# KiCad board ovc5.kicad_pcb (continued)
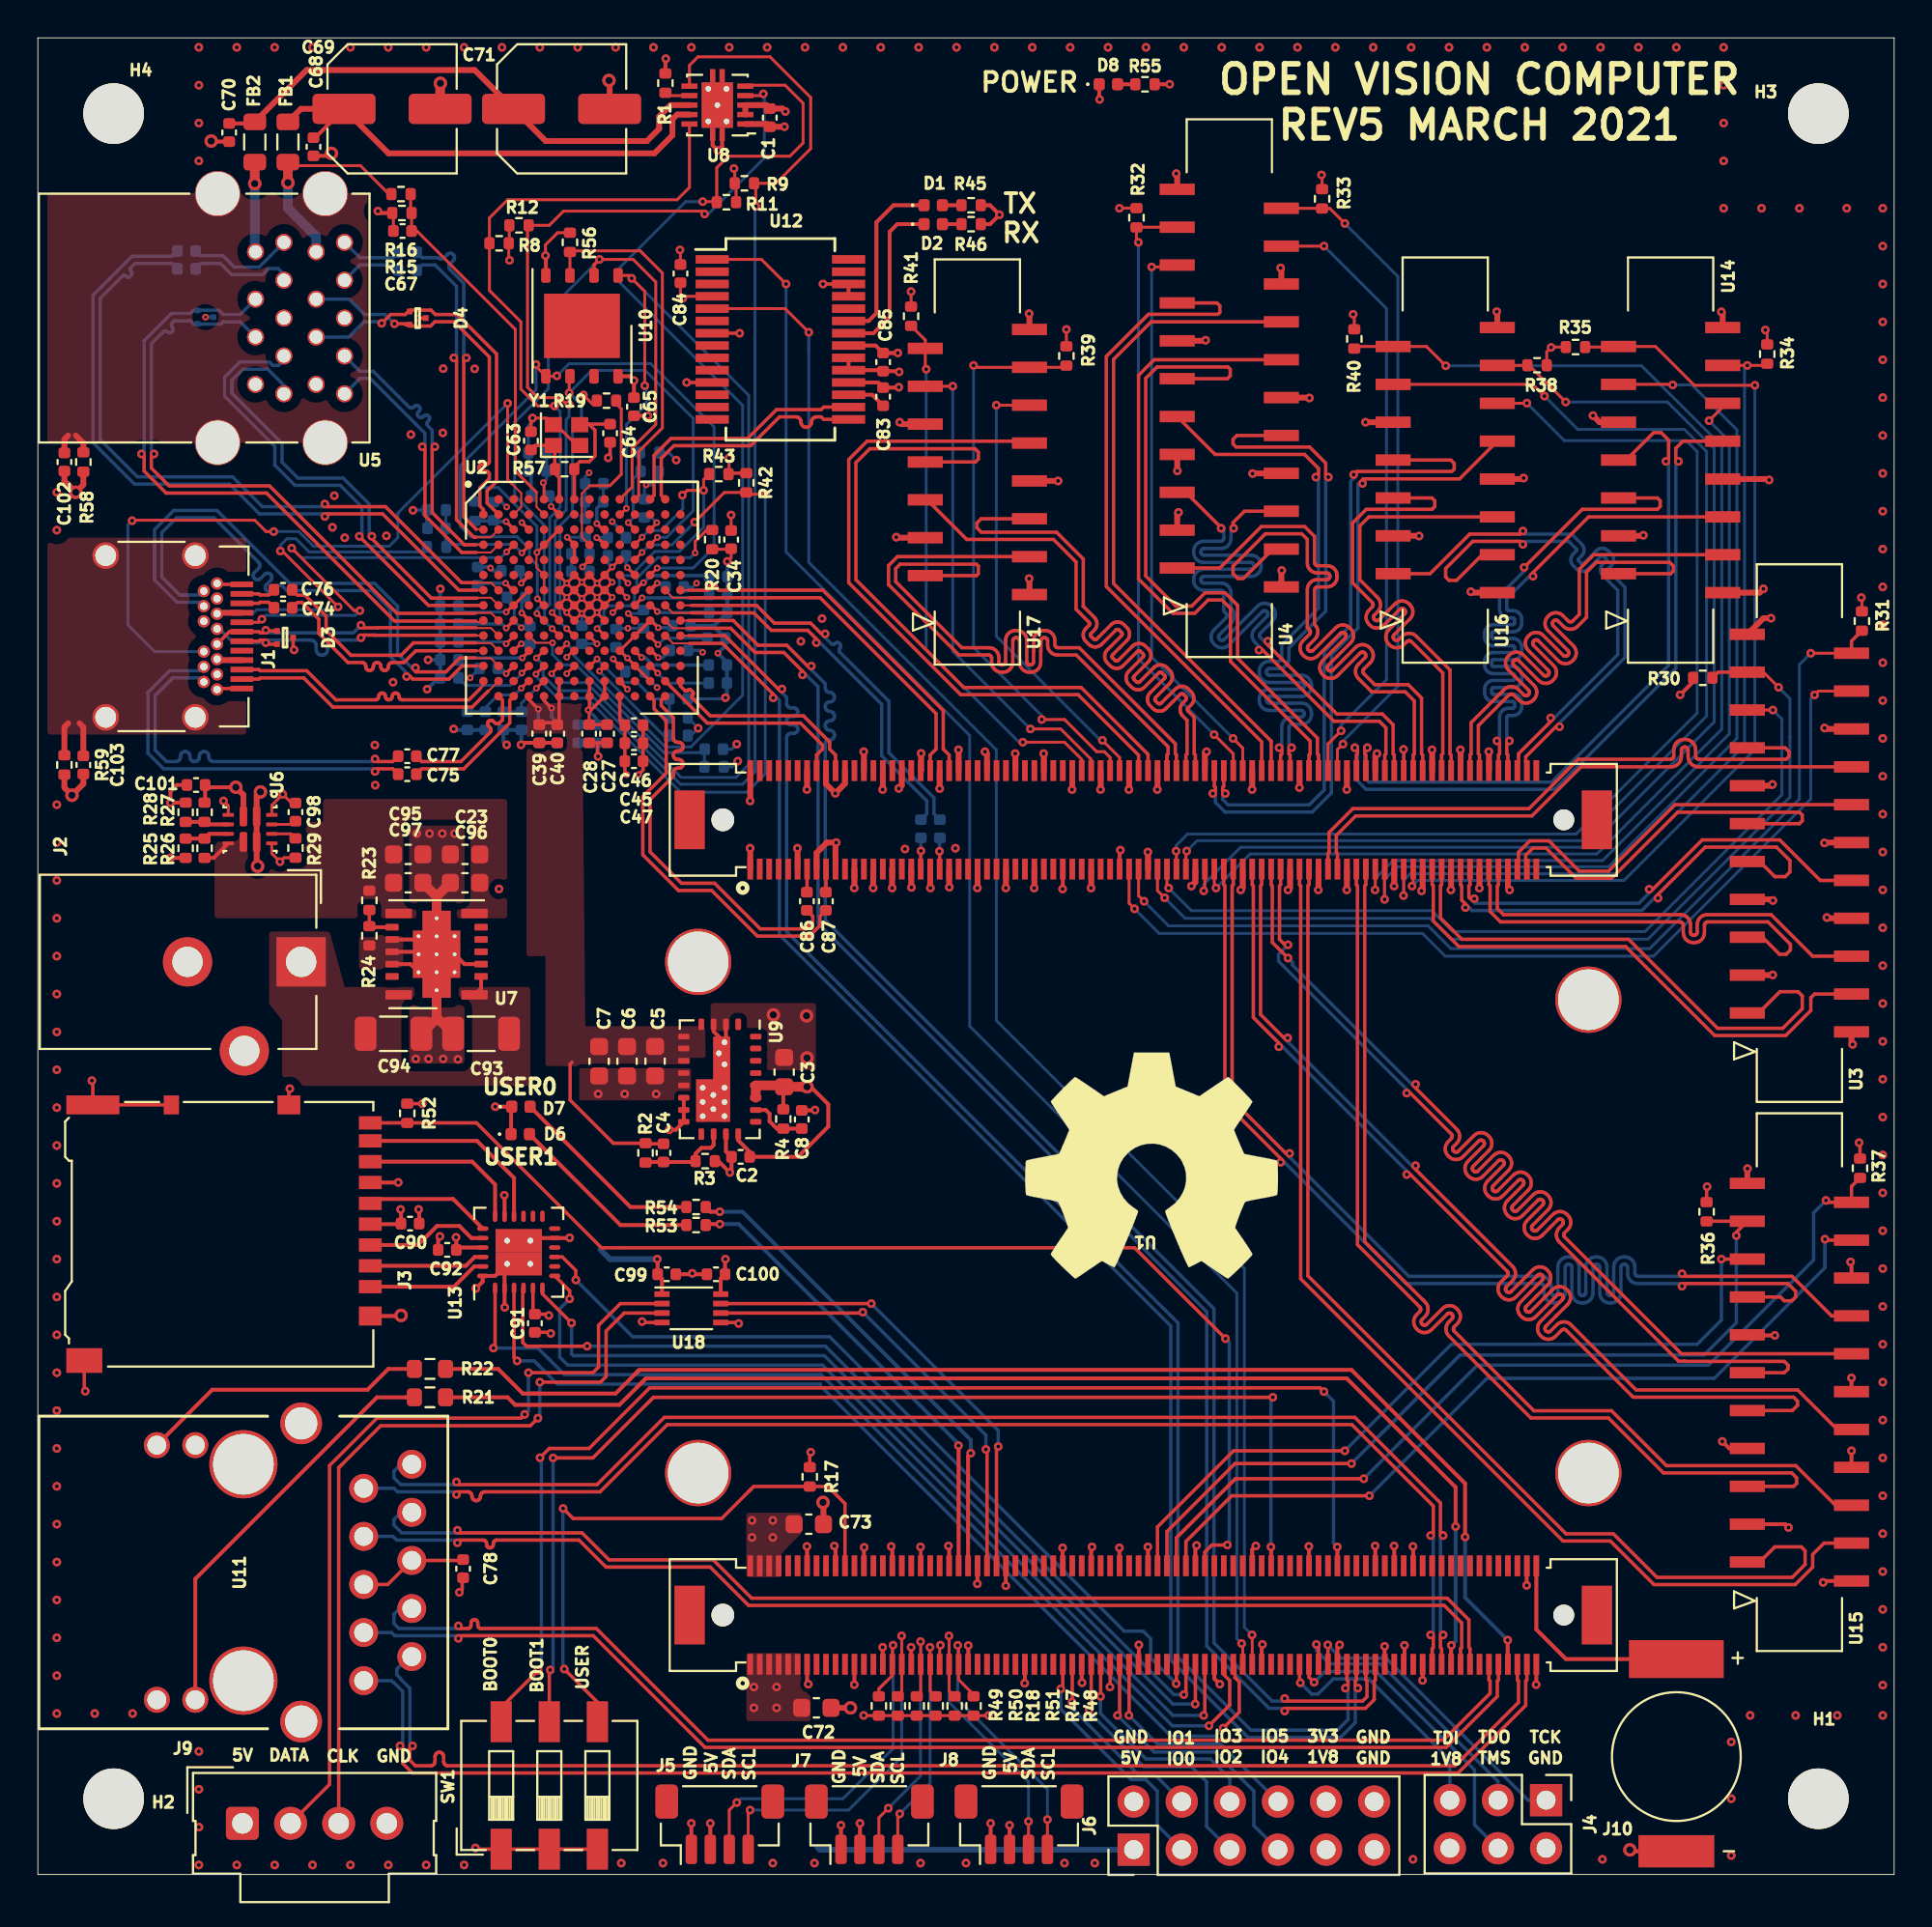
[diagram p0: board, top side]
## Routing (per net, layer and track width the routed paths; a pad name or vN(x,y) marks a point on that pad's centre or on a via; arc(x,y) is an arc through that point) (continued)
CAM2_DAT0-: length 32
  Top w0.178: U1.B156 76.11,59.13 76.05,59.18 76.05,60.68 77.66,62.29 77.69,62.32 77.73,62.34 77.77,62.35 77.81,62.35 77.85,62.34 77.88,62.32 77.92,62.29 78.19,62.02 78.28,61.94 78.39,61.89 78.51,61.87 78.62,61.87 78.74,61.89 78.84,61.94 78.94,62.02 78.98,62.06 79.06,62.16 79.11,62.26 79.13,62.38 79.13,62.49 79.11,62.61 79.06,62.72 78.98,62.81 77.93,63.86 77.91,63.89 77.89,63.93 77.88,63.97 77.88,64 77.89,64.04 77.91,64.08 77.93,64.11 77.96,64.14 78,64.15 78.04,64.16 78.08,64.16 78.12,64.15 78.15,64.14 78.18,64.11 79.23,63.06 79.33,62.99 79.43,62.93 79.55,62.91 79.66,62.91 79.78,62.93 79.89,62.99 79.98,63.06 80.02,63.11 80.1,63.2 80.15,63.3 80.17,63.42 80.17,63.54 80.15,63.65 80.1,63.76 80.02,63.85 78.97,64.9 78.95,64.93 78.93,64.97 78.92,65.01 78.92,65.05 78.93,65.09 78.95,65.12 78.97,65.15 79,65.18 79.04,65.19 79.08,65.2 79.12,65.2 79.16,65.19 79.19,65.18 79.22,65.15 80.28,64.1 80.37,64.03 80.47,63.98 80.59,63.95 80.71,63.95 80.82,63.98 80.93,64.03 81.02,64.1 81.07,64.15 81.14,64.24 81.19,64.35 81.22,64.46 81.22,64.58 81.19,64.69 81.14,64.8 81.07,64.89 80.01,65.94 79.99,65.97 79.97,66.01 79.96,66.05 79.96,66.09 79.97,66.13 79.99,66.16 80.01,66.19 80.05,66.22 80.08,66.24 80.12,66.25 80.16,66.25 80.2,66.24 80.23,66.22 80.27,66.19 80.54,65.92 80.63,65.84 80.74,65.79 80.86,65.77 80.97,65.77 81.09,65.79 81.19,65.84 81.29,65.92 81.76,66.39 81.76,68.78 82.3,69.32 82.32,69.3 86.15,69.3 86.35,69.1 86.35,68.85 86.2,68.7 U14.2
CAM2_DAT1+: length 31.6
  Top w0.178: U14.6 85.5,72.7 85.65,72.55 85.65,72.25 85.5,72.1 81.53,72.1 v1(78.47,69.03) ; v1(77.03,59.87) 77.17,59.73 77.17,59.18 77.11,59.13 U1.B160
  Bottom w0.178: v1(78.47,69.03) 78.47,68.84 77.17,67.54 77.17,66.83 77.18,66.73 77.22,66.63 77.27,66.54 77.34,66.47 77.43,66.41 77.53,66.38 77.63,66.37 77.85,66.37 77.87,66.36 77.9,66.36 77.92,66.34 77.94,66.32 77.95,66.3 77.96,66.28 77.96,66.26 77.96,66.12 77.96,66.1 77.95,66.07 77.94,66.05 77.92,66.03 77.9,66.02 77.87,66.01 77.85,66.01 76.84,66.01 76.74,66 76.64,65.96 76.55,65.91 76.48,65.84 76.42,65.75 76.39,65.65 76.38,65.55 76.38,65.36 76.39,65.25 76.42,65.15 76.48,65.07 76.55,64.99 76.64,64.94 76.74,64.9 76.84,64.89 77.85,64.89 77.87,64.89 77.9,64.88 77.92,64.87 77.94,64.85 77.95,64.83 77.96,64.81 77.96,64.78 77.96,64.65 77.96,64.62 77.95,64.6 77.94,64.58 77.92,64.56 77.9,64.55 77.87,64.54 77.85,64.54 76.84,64.54 76.74,64.53 76.64,64.49 76.55,64.44 76.48,64.36 76.42,64.28 76.39,64.18 76.38,64.08 76.38,63.88 76.39,63.78 76.42,63.68 76.48,63.59 76.55,63.52 76.64,63.47 76.74,63.43 76.84,63.42 77.85,63.42 77.87,63.42 77.9,63.41 77.92,63.4 77.94,63.38 77.95,63.36 77.96,63.33 77.96,63.31 77.96,63.17 77.96,63.15 77.95,63.13 77.94,63.11 77.92,63.09 77.9,63.08 77.87,63.07 77.85,63.06 76.84,63.06 76.74,63.05 76.64,63.02 76.55,62.96 76.48,62.89 76.42,62.8 76.39,62.7 76.38,62.6 76.38,62.41 76.39,62.31 76.42,62.21 76.48,62.12 76.55,62.05 76.64,61.99 76.74,61.96 76.84,61.95 77.85,61.95 77.87,61.94 77.9,61.94 77.92,61.92 77.94,61.91 77.95,61.88 77.96,61.86 77.96,61.84 77.96,61.7 77.96,61.68 77.95,61.65 77.94,61.63 77.92,61.61 77.9,61.6 77.87,61.59 77.85,61.59 77.63,61.59 77.53,61.58 77.43,61.55 77.34,61.49 77.27,61.42 77.22,61.33 77.18,61.23 77.17,61.13 77.17,60.01 v1(77.03,59.87)
CAM2_DAT1-: length 31.6
  Top w0.178: U1.B162 77.61,59.13 77.55,59.18 77.55,59.73 v1(77.69,59.87) ; v1(78.93,68.57) 78.93,68.76 81.87,71.7 U14.5
  Bottom w0.178: v1(78.93,68.57) 78.74,68.57 77.55,67.38 77.55,66.86 77.55,66.83 77.56,66.81 77.57,66.79 77.59,66.77 77.61,66.76 77.64,66.75 77.66,66.75 77.88,66.75 77.98,66.74 78.08,66.7 78.17,66.65 78.24,66.57 78.3,66.49 78.33,66.39 78.34,66.29 78.34,66.09 78.33,65.99 78.3,65.89 78.24,65.8 78.17,65.73 78.08,65.68 77.98,65.64 77.88,65.63 76.87,65.63 76.85,65.63 76.82,65.62 76.8,65.61 76.78,65.59 76.77,65.57 76.76,65.54 76.76,65.52 76.76,65.38 76.76,65.36 76.77,65.34 76.78,65.32 76.8,65.3 76.82,65.28 76.85,65.28 76.87,65.27 77.88,65.27 77.98,65.26 78.08,65.23 78.17,65.17 78.24,65.1 78.3,65.01 78.33,64.91 78.34,64.81 78.34,64.62 78.33,64.52 78.3,64.42 78.24,64.33 78.17,64.26 78.08,64.2 77.98,64.17 77.88,64.16 76.87,64.16 76.85,64.15 76.82,64.15 76.8,64.13 76.78,64.12 76.77,64.09 76.76,64.07 76.76,64.05 76.76,63.91 76.76,63.89 76.77,63.86 76.78,63.84 76.8,63.82 76.82,63.81 76.85,63.8 76.87,63.8 77.88,63.8 77.98,63.79 78.08,63.76 78.17,63.7 78.24,63.63 78.3,63.54 78.33,63.44 78.34,63.34 78.34,63.15 78.33,63.04 78.3,62.94 78.24,62.86 78.17,62.78 78.08,62.73 77.98,62.69 77.88,62.68 76.87,62.68 76.85,62.68 76.82,62.67 76.8,62.66 76.78,62.64 76.77,62.62 76.76,62.6 76.76,62.57 76.76,62.44 76.76,62.41 76.77,62.39 76.78,62.37 76.8,62.35 76.82,62.34 76.85,62.33 76.87,62.33 77.88,62.33 77.98,62.32 78.08,62.28 78.17,62.23 78.24,62.15 78.3,62.07 78.33,61.97 78.34,61.87 78.34,61.67 78.33,61.57 78.3,61.47 78.24,61.38 78.17,61.31 78.08,61.26 77.98,61.22 77.88,61.21 77.66,61.21 77.64,61.21 77.61,61.2 77.59,61.19 77.57,61.17 77.56,61.15 77.55,61.12 77.55,61.1 77.55,60.01 v1(77.69,59.87)
CAM2_ENABLE: length 41.8
  Top w0.152: v1(88.23,76.78) 88.95,77.5 U14.11 ; v1(70.6,52) 70.61,52.01 U1.B133
  Bottom w0.152: v1(88.23,76.78) 89.3,75.71 89.3,60.24 82.61,53.55 71.55,53.55 70.6,52.6 v1(70.6,52)
CAM2_SCL: length 45.7
  Top w0.152: U14.13 v1(90.25,79.7) 91.21,79.7 R34.2 ; v1(72.1,51.7) 72.11,51.71 U1.B139
  Bottom w0.152: v1(90.25,79.7) 90.1,79.55 90.1,59.63 83.32,52.85 72.45,52.85 72.1,52.5 v1(72.1,51.7)
CAM2_SDA: length 51.1
  Top w0.152: v1(72.55,52.2) 72.61,52.26 U1.B141 ; R35.2 83.42,80.67 U14.14 85.4,80.7 87.45,78.65 v1(90.65,78.65)
  Bottom w0.152: v1(72.55,52.2) 72.85,52.5 83.74,52.5 90.65,59.41 v1(90.65,78.65)
CAM2_TRIGGER: length 48.3
  Top w0.152: U1.B135 71.09,53.08 71.09,51.51 v1(71.1,51.5) ; U14.12 86.28,78.7 v1(86.31,78.67)
  Bottom w0.152: 87.33,78.67 86.94,78.67 ; 87.33,78.67 89.7,76.3 89.7,60 82.92,53.22 71.77,53.22 71.1,52.55 v1(71.1,51.5) ; 87.33,78.67 v1(86.31,78.67)
CAM3_CLK+: length 60
  Top w0.178: v1(86.8,31.07) 86.94,31.21 92.39,31.21 92.8,30.8 92.8,30.5 92.6,30.3 92.2,30.3 92,30.5 U15.16 ; v1(65.62,37.62) 65.62,37.81 62.67,40.76 62.67,52.22 62.61,52.28 U1.B101
  Bottom w0.178: v1(86.8,31.07) 86.66,31.21 84.46,31.21 84.34,31.22 84.23,31.26 84.13,31.32 84.05,31.41 83.98,31.51 83.94,31.62 83.93,31.74 83.93,32.05 83.93,32.09 83.91,32.13 83.89,32.16 83.86,32.19 83.83,32.21 83.79,32.23 83.75,32.23 83.71,32.23 83.68,32.21 83.64,32.19 83.61,32.16 83.59,32.13 83.58,32.09 83.58,32.05 83.58,30.71 83.56,30.6 83.52,30.49 83.46,30.39 83.38,30.3 83.28,30.24 83.17,30.2 83.05,30.19 82.99,30.19 82.87,30.2 82.76,30.24 82.66,30.3 82.57,30.39 82.51,30.49 82.47,30.6 82.46,30.71 82.46,32.05 82.45,32.09 82.44,32.13 82.42,32.16 82.39,32.19 82.36,32.21 82.32,32.23 82.28,32.23 82.24,32.23 82.2,32.21 82.17,32.19 82.14,32.16 82.12,32.13 82.11,32.09 82.1,32.05 82.1,30.71 82.09,30.6 82.05,30.49 81.99,30.39 81.9,30.3 81.8,30.24 81.69,30.2 81.58,30.19 81.51,30.19 81.39,30.2 81.28,30.24 81.18,30.3 81.1,30.39 81.04,30.49 81,30.6 80.99,30.71 80.99,32.05 80.98,32.09 80.97,32.13 80.95,32.16 80.92,32.19 80.88,32.21 80.85,32.23 80.81,32.23 80.77,32.23 80.73,32.21 80.7,32.19 80.67,32.16 80.65,32.13 80.63,32.09 80.63,32.05 80.63,30.71 80.62,30.6 80.58,30.49 80.51,30.39 80.43,30.3 80.33,30.24 80.22,30.2 80.1,30.19 80.04,30.19 79.92,30.2 79.81,30.24 79.71,30.3 79.63,30.39 79.56,30.49 79.53,30.6 79.51,30.71 79.51,31.03 79.51,31.07 79.49,31.11 79.47,31.14 79.45,31.17 79.41,31.19 79.37,31.21 79.33,31.21 72.22,31.21 65.81,37.62 v1(65.62,37.62)
CAM3_CLK-: length 60
  Top w0.178: v1(86.8,31.73) 86.94,31.59 92.61,31.59 94.7,29.5 U15.15 ; v1(66.08,38.08) 65.89,38.08 63.05,40.92 63.05,52.22 63.11,52.28 U1.B103
  Bottom w0.178: v1(66.08,38.08) 66.08,37.89 72.38,31.59 79.37,31.59 79.48,31.58 79.6,31.54 79.69,31.48 79.78,31.39 79.84,31.29 79.88,31.18 79.89,31.06 79.89,30.75 79.9,30.71 79.91,30.67 79.93,30.64 79.96,30.61 79.99,30.59 80.03,30.57 80.07,30.57 80.11,30.57 80.15,30.59 80.18,30.61 80.21,30.64 80.23,30.67 80.24,30.71 80.25,30.75 80.25,32.09 80.26,32.2 80.3,32.31 80.36,32.41 80.45,32.5 80.55,32.56 80.66,32.6 80.78,32.61 80.84,32.61 80.96,32.6 81.07,32.56 81.17,32.5 81.25,32.41 81.31,32.31 81.35,32.2 81.37,32.09 81.37,30.75 81.37,30.71 81.38,30.67 81.41,30.64 81.43,30.61 81.47,30.59 81.5,30.57 81.54,30.57 81.58,30.57 81.62,30.59 81.65,30.61 81.68,30.64 81.7,30.67 81.72,30.71 81.72,30.75 81.72,32.09 81.74,32.2 81.77,32.31 81.84,32.41 81.92,32.5 82.02,32.56 82.13,32.6 82.25,32.61 82.31,32.61 82.43,32.6 82.54,32.56 82.64,32.5 82.72,32.41 82.79,32.31 82.83,32.2 82.84,32.09 82.84,30.75 82.84,30.71 82.86,30.67 82.88,30.64 82.91,30.61 82.94,30.59 82.98,30.57 83.02,30.57 83.06,30.57 83.09,30.59 83.13,30.61 83.16,30.64 83.18,30.67 83.19,30.71 83.2,30.75 83.2,32.09 83.21,32.2 83.25,32.31 83.31,32.41 83.39,32.5 83.49,32.56 83.6,32.6 83.72,32.61 83.79,32.61 83.9,32.6 84.01,32.56 84.11,32.5 84.2,32.41 84.26,32.31 84.3,32.2 84.31,32.09 84.31,31.77 84.32,31.73 84.33,31.69 84.35,31.66 84.38,31.63 84.41,31.61 84.45,31.59 84.49,31.59 86.66,31.59 v1(86.8,31.73)
CAM3_DAT0+: length 58
  Top w0.178: v1(72.27,36.97) 72.46,36.97 77.57,31.87 77.59,31.83 77.61,31.8 77.62,31.76 77.62,31.72 77.61,31.68 77.59,31.64 77.57,31.61 77.24,31.29 77.17,31.2 77.12,31.09 77.09,30.98 77.09,30.86 77.12,30.74 77.17,30.64 77.24,30.55 77.29,30.5 77.38,30.43 77.49,30.38 77.6,30.35 77.72,30.35 77.83,30.38 77.94,30.43 78.03,30.5 79.18,31.64 79.21,31.67 79.24,31.69 79.28,31.7 79.32,31.7 79.36,31.69 79.4,31.67 79.43,31.64 79.45,31.61 79.47,31.58 79.48,31.54 79.48,31.5 79.47,31.46 79.45,31.42 79.43,31.39 78.28,30.25 78.21,30.16 78.16,30.05 78.13,29.94 78.13,29.82 78.16,29.7 78.21,29.6 78.28,29.5 78.33,29.46 78.42,29.39 78.53,29.33 78.64,29.31 78.76,29.31 78.88,29.33 78.98,29.39 79.07,29.46 80.22,30.6 80.25,30.63 80.29,30.65 80.32,30.65 80.36,30.65 80.4,30.65 80.44,30.63 80.47,30.6 80.49,30.57 80.51,30.54 80.52,30.5 80.52,30.46 80.51,30.42 80.49,30.38 80.47,30.35 79.33,29.21 79.25,29.12 79.2,29.01 79.17,28.89 79.17,28.78 79.2,28.66 79.25,28.55 79.33,28.46 79.37,28.42 79.46,28.34 79.57,28.29 79.68,28.27 79.8,28.27 79.92,28.29 80.02,28.34 80.12,28.42 80.44,28.74 80.47,28.76 80.51,28.78 80.54,28.79 80.58,28.79 80.62,28.78 80.66,28.76 80.69,28.74 84.22,25.21 92.69,25.21 92.9,25 92.9,24.78 92.62,24.5 U15.10 ; v1(65.52,43.72) 65.52,43.91 64.17,45.26 64.17,52.22 64.11,52.28 U1.B107
  Bottom w0.178: v1(72.27,36.97) 72.27,37.16 65.71,43.72 v1(65.52,43.72)
CAM3_DAT0-: length 58
  Top w0.178: v1(72.73,37.43) 72.73,37.24 77.86,32.11 77.93,32.02 77.98,31.91 78.01,31.8 78.01,31.68 77.98,31.57 77.93,31.46 77.86,31.37 77.53,31.04 77.51,31.01 77.49,30.98 77.48,30.94 77.48,30.9 77.49,30.86 77.51,30.82 77.53,30.79 77.57,30.77 77.6,30.75 77.64,30.74 77.68,30.74 77.72,30.75 77.75,30.77 77.79,30.79 78.93,31.94 79.02,32.01 79.13,32.06 79.24,32.09 79.36,32.09 79.48,32.06 79.58,32.01 79.67,31.94 79.72,31.89 79.79,31.8 79.84,31.69 79.87,31.58 79.87,31.46 79.84,31.35 79.79,31.24 79.72,31.15 78.58,30 78.55,29.97 78.53,29.94 78.53,29.9 78.53,29.86 78.53,29.82 78.55,29.78 78.58,29.75 78.61,29.73 78.64,29.71 78.68,29.7 78.72,29.7 78.76,29.71 78.8,29.73 78.83,29.75 79.97,30.9 80.06,30.97 80.17,31.02 80.29,31.05 80.4,31.05 80.52,31.02 80.62,30.97 80.72,30.9 80.76,30.85 80.84,30.76 80.89,30.65 80.91,30.54 80.91,30.42 80.89,30.3 80.84,30.2 80.76,30.1 79.62,28.96 79.59,28.93 79.58,28.89 79.57,28.85 79.57,28.82 79.58,28.78 79.59,28.74 79.62,28.71 79.65,28.68 79.68,28.67 79.72,28.66 79.76,28.66 79.8,28.67 79.84,28.68 79.87,28.71 80.19,29.03 80.28,29.11 80.39,29.16 80.51,29.18 80.62,29.18 80.74,29.16 80.84,29.11 80.94,29.03 84.38,25.59 92.91,25.59 95,23.5 U15.9 ; U1.B109 64.61,52.28 64.55,52.22 64.55,45.42 65.79,44.18 v1(65.98,44.18)
  Bottom w0.178: v1(65.98,44.18) 65.98,43.99 72.54,37.43 v1(72.73,37.43)
CAM3_DAT1+: length 59
  Top w0.178: U1.B111 65.11,52.28 65.17,52.22 65.17,49.23 v1(66,48.4) ; U15.13 86.77,27.5 80.61,33.66 80.59,33.69 80.57,33.72 80.56,33.76 80.56,33.8 80.57,33.84 80.59,33.88 80.61,33.91 80.78,34.07 80.85,34.16 80.9,34.27 80.93,34.38 80.93,34.5 80.9,34.62 80.85,34.72 80.78,34.81 80.73,34.86 80.64,34.93 80.53,34.98 80.42,35.01 80.3,35.01 80.18,34.98 80.08,34.93 79.99,34.86 79.16,34.04 79.13,34.01 79.1,33.99 79.06,33.99 79.02,33.99 78.98,33.99 78.94,34.01 78.91,34.04 78.89,34.07 78.87,34.1 78.86,34.14 78.86,34.18 78.87,34.22 78.89,34.26 78.91,34.29 79.73,35.11 79.81,35.2 79.86,35.31 79.89,35.42 79.89,35.54 79.86,35.66 79.81,35.76 79.73,35.86 79.69,35.9 79.6,35.97 79.49,36.03 79.38,36.05 79.26,36.05 79.14,36.03 79.04,35.97 78.94,35.9 78.12,35.08 78.09,35.05 78.05,35.04 78.02,35.03 77.98,35.03 77.94,35.04 77.9,35.05 77.87,35.08 77.85,35.11 77.83,35.15 77.82,35.18 77.82,35.22 77.83,35.26 77.85,35.3 77.87,35.33 78.69,36.15 78.77,36.24 78.82,36.35 78.84,36.47 78.84,36.58 78.82,36.7 78.77,36.81 78.69,36.9 78.65,36.94 78.56,37.02 78.45,37.07 78.33,37.09 78.22,37.09 78.1,37.07 78,37.02 77.9,36.94 77.08,36.12 77.05,36.1 77.01,36.08 76.97,36.07 76.93,36.07 76.9,36.08 76.86,36.1 76.83,36.12 76.8,36.15 76.79,36.19 76.78,36.23 76.78,36.27 76.79,36.3 76.8,36.34 76.83,36.37 77.65,37.19 77.73,37.29 77.78,37.39 77.8,37.51 77.8,37.63 77.78,37.74 77.73,37.85 77.65,37.94 77.61,37.98 77.51,38.06 77.41,38.11 77.29,38.14 77.17,38.14 77.06,38.11 76.95,38.06 76.86,37.98 76.04,37.16 76.01,37.14 75.97,37.12 75.93,37.11 75.89,37.11 75.85,37.12 75.82,37.14 75.79,37.16 75.76,37.19 75.74,37.23 75.74,37.27 75.74,37.31 75.74,37.35 75.76,37.38 75.79,37.41 76.61,38.24 76.68,38.33 76.73,38.43 76.76,38.55 76.76,38.67 76.73,38.78 76.68,38.89 76.61,38.98 76.56,39.03 76.47,39.1 76.37,39.15 76.25,39.18 76.13,39.18 76.02,39.15 75.91,39.1 75.82,39.03 75,38.2 74.97,38.18 74.93,38.16 74.89,38.15 74.85,38.15 74.81,38.16 74.78,38.18 74.75,38.2 74.72,38.23 74.7,38.27 74.69,38.31 74.69,38.35 74.7,38.39 74.72,38.42 74.75,38.45 74.91,38.62 74.98,38.71 75.03,38.82 75.06,38.93 75.06,39.05 75.03,39.16 74.98,39.27 74.91,39.36 72.73,41.54 v1(72.73,41.73)
  Bottom w0.178: v1(72.73,41.73) 72.54,41.73 66.23,48.03 66.23,48.17 v1(66,48.4)
CAM3_DAT1-: length 59
  Top w0.178: v1(72.27,41.27) 72.46,41.27 74.62,39.12 74.64,39.08 74.66,39.05 74.67,39.01 74.67,38.97 74.66,38.93 74.64,38.89 74.62,38.86 74.45,38.7 74.38,38.61 74.33,38.5 74.3,38.39 74.3,38.27 74.33,38.16 74.38,38.05 74.45,37.96 74.5,37.91 74.59,37.84 74.7,37.79 74.81,37.76 74.93,37.76 75.04,37.79 75.15,37.84 75.24,37.91 76.07,38.73 76.1,38.76 76.13,38.78 76.17,38.79 76.21,38.79 76.25,38.78 76.29,38.76 76.32,38.73 76.34,38.7 76.36,38.67 76.37,38.63 76.37,38.59 76.36,38.55 76.34,38.51 76.32,38.48 75.49,37.66 75.42,37.57 75.37,37.46 75.34,37.35 75.34,37.23 75.37,37.11 75.42,37.01 75.49,36.92 75.54,36.87 75.63,36.8 75.74,36.74 75.85,36.72 75.97,36.72 76.09,36.74 76.19,36.8 76.28,36.87 77.11,37.69 77.14,37.72 77.17,37.73 77.21,37.74 77.25,37.74 77.29,37.73 77.33,37.72 77.36,37.69 77.38,37.66 77.4,37.63 77.41,37.59 77.41,37.55 77.4,37.51 77.38,37.47 77.36,37.44 76.54,36.62 76.46,36.53 76.41,36.42 76.39,36.3 76.39,36.19 76.41,36.07 76.46,35.97 76.54,35.87 76.58,35.83 76.67,35.75 76.78,35.7 76.9,35.68 77.01,35.68 77.13,35.7 77.23,35.75 77.33,35.83 78.15,36.65 78.18,36.68 78.22,36.69 78.26,36.7 78.3,36.7 78.33,36.69 78.37,36.68 78.4,36.65 78.43,36.62 78.44,36.58 78.45,36.54 78.45,36.51 78.44,36.47 78.43,36.43 78.4,36.4 77.58,35.58 77.5,35.48 77.45,35.38 77.43,35.26 77.43,35.14 77.45,35.03 77.5,34.92 77.58,34.83 77.62,34.79 77.72,34.71 77.82,34.66 77.94,34.64 78.05,34.64 78.17,34.66 78.28,34.71 78.37,34.79 79.19,35.61 79.22,35.63 79.26,35.65 79.3,35.66 79.34,35.66 79.38,35.65 79.41,35.63 79.44,35.61 79.47,35.58 79.48,35.54 79.49,35.5 79.49,35.46 79.48,35.42 79.47,35.39 79.44,35.36 78.62,34.53 78.55,34.44 78.49,34.34 78.47,34.22 78.47,34.1 78.49,33.99 78.55,33.88 78.62,33.79 78.67,33.74 78.76,33.67 78.86,33.62 78.98,33.59 79.1,33.59 79.21,33.62 79.32,33.67 79.41,33.74 80.23,34.57 80.26,34.59 80.3,34.61 80.34,34.62 80.38,34.62 80.42,34.61 80.45,34.59 80.48,34.57 80.51,34.54 80.53,34.5 80.54,34.46 80.54,34.42 80.53,34.38 80.51,34.35 80.48,34.32 80.32,34.15 80.25,34.06 80.2,33.95 80.17,33.84 80.17,33.72 80.2,33.61 80.25,33.5 80.32,33.41 86.62,27.11 86.94,27.11 86.95,27.1 92.2,27.1 92.4,26.9 92.4,26.7 92.2,26.5 U15.12 ; U1.B113 65.61,52.28 65.55,52.22 65.55,49.39 65.84,49.1 v1(66,49.1)
  Bottom w0.178: v1(66,49.1) 65.5,48.6 65.5,48.23 72.27,41.46 v1(72.27,41.27)
CAM3_DAT2+: length 53.9
  Top w0.178: U15.6 92.7,20.5 92.85,20.65 92.85,20.95 92.59,21.21 85.82,21.21 82.92,24.11 78.82,24.11 74.49,28.44 74.42,28.53 74.37,28.64 74.34,28.75 74.34,28.87 74.37,28.98 74.42,29.09 74.49,29.18 74.66,29.35 74.68,29.38 74.7,29.41 74.71,29.45 74.71,29.49 74.7,29.53 74.68,29.57 74.66,29.6 74.63,29.62 74.59,29.64 74.55,29.65 74.51,29.65 74.47,29.64 74.44,29.62 74.4,29.6 73.58,28.77 73.49,28.7 73.38,28.65 73.27,28.62 73.15,28.62 73.03,28.65 72.93,28.7 72.83,28.77 72.79,28.82 72.72,28.91 72.66,29.02 72.64,29.13 72.64,29.25 72.66,29.36 72.72,29.47 72.79,29.56 72.95,29.73 72.98,29.76 72.99,29.79 73,29.83 73,29.87 72.99,29.91 72.98,29.95 72.95,29.98 69.67,33.26 69.67,52.22 69.61,52.28 U1.B129
CAM3_DAT2-: length 54.2
  Top w0.178: 95.61,19.36 U15.5 94.9,19.5 92.81,21.59 85.98,21.59 83.08,24.49 78.98,24.49 74.78,28.68 74.76,28.72 74.74,28.75 74.73,28.79 74.73,28.83 74.74,28.87 74.76,28.91 74.78,28.94 74.95,29.1 75.02,29.19 75.07,29.3 75.1,29.41 75.1,29.53 75.07,29.65 75.02,29.75 74.95,29.84 74.9,29.89 74.81,29.96 74.7,30.01 74.59,30.04 74.47,30.04 74.36,30.01 74.25,29.96 74.16,29.89 73.33,29.06 73.3,29.04 73.27,29.02 73.23,29.01 73.19,29.01 73.15,29.02 73.11,29.04 73.08,29.06 73.06,29.1 73.04,29.13 73.03,29.17 73.03,29.21 73.04,29.25 73.06,29.29 73.08,29.32 73.24,29.48 73.32,29.57 73.37,29.68 73.4,29.79 73.4,29.91 73.37,30.03 73.32,30.13 73.24,30.22 73.24,30.23 73.15,30.34 73.13,30.34 70.05,33.42 70.05,52.22 70.11,52.28 U1.B131
CAM3_DAT3+: length 58.7
  Top w0.178: U15.3 94.3,17.5 93.7,16.9 93.7,16.23 92.78,15.31 85.32,15.31 83.02,17.61 80.52,17.61 66.67,31.46 66.67,52.22 66.61,52.28 U1.B117
CAM3_DAT3-: length 58.8
  Top w0.178: U1.B119 67.11,52.28 67.05,52.22 67.05,31.62 80.68,17.99 83.18,17.99 85.48,15.69 92.62,15.69 93.3,16.37 93.3,17.1 93.1,17.3 91.7,17.3 90.9,16.5 U15.2
CAM3_ENABLE: length 40.9
  Top w0.178: U1.A88 59.11,18.36 63.12,22.38 v1(69,22.38) ; v1(88.88,32.5) U15.18
  Bottom w0.178: v1(88.88,32.5) 88.88,29.28 87.6,28 74.62,28 v1(69,22.38)
CAM3_SCL: length 50.6
  Top w0.178: R36.2 88.11,34.5 U15.20 89.67,33.92 v1(89.67,33.74) ; U1.A90 59.61,18.11 63.2,21.7 v1(69.35,21.7)
  Bottom w0.178: 75.08,27.44 87.97,27.44 89.67,29.14 v1(89.67,33.74) ; 75.08,27.44 70.53,22.88 ; 75.08,27.44 v1(69.35,21.7)
CAM3_SDA: length 51.7
  Top w0.178: 63.22,20.9 60.11,17.78 U1.A92 ; 63.22,20.9 60.26,17.94 ; 63.22,20.9 v1(70,20.9) ; R37.2 95.75,36.34 U15.21 94.5,35.5 v1(94.4,35.6)
  Bottom w0.178: v1(94.4,35.6) 93.75,34.95 93.75,32.45 88.2,26.9 76,26.9 v1(70,20.9)
CAM3_TRIGGER: length 44.9
  Top w0.178: U15.19 94.4,33.5 v1(94.35,33.55) ; U1.A94 60.61,17.58 63.03,20 v1(70.3,20)
  Bottom w0.178: 94.35,32.05 94.35,33.05 ; 94.35,32.05 v1(94.35,33.55) ; 94.35,32.05 88.5,26.2 76.5,26.2 v1(70.3,20)
CAM4_CLK+: length 33.9
  Top w0.178: v1(62.03,57.09) 62.17,57.23 62.17,57.42 62.11,57.47 U1.B100 ; v1(69.93,73.47) 69.93,73.66 69.98,73.71 75.06,73.71 U16.9
  Bottom w0.178: v1(69.93,73.47) 69.74,73.47 69.69,73.42 69.69,65.82 68.29,64.42 68.29,57.45 68.29,57.45 68.29,57.13 68.29,57.13 68.29,57.12 67.28,56.11 62.68,56.11 62.17,56.62 62.17,56.95 v1(62.03,57.09)
CAM4_CLK-: length 33.8
  Top w0.178: v1(62.69,57.09) 62.55,57.23 62.55,57.42 62.61,57.47 U1.B102 ; 71.5,74.7 U16.8 74.6,74.7 74.78,74.53 74.78,74.22 74.65,74.1 69.63,74.1 v1(69.47,73.93)
  Bottom w0.178: v1(69.47,73.93) 69.47,73.74 69.31,73.58 69.31,65.98 67.91,64.58 67.91,57.29 67.91,57.29 67.91,57.28 67.12,56.49 62.84,56.49 62.55,56.78 62.55,56.95 v1(62.69,57.09)
CAM4_DAT0+: length 28.9
  Top w0.178: v1(78.4,70.25) 78.26,70.39 78.26,70.41 75.76,70.41 74.33,68.97 74.33,68.53 74.5,68.35 74.9,68.35 76.25,69.7 U16.3 77.05,69.75 ; U1.B164 78.11,58.7 78.17,58.76 78.17,59.08 78.17,59.09 78.17,59.19 79.87,60.89 v1(79.87,61.08)
  Bottom w0.178: v1(78.4,70.25) 78.4,70.27 78.54,70.41 80.82,70.41 81.22,70.02 81.23,70 81.24,69.98 81.24,69.97 81.24,69.95 81.24,69.93 81.23,69.91 81.22,69.9 81.06,69.74 81,69.67 80.96,69.58 80.94,69.48 80.94,69.38 80.96,69.29 81,69.2 81.06,69.12 81.23,68.95 81.31,68.89 81.4,68.85 81.49,68.83 81.59,68.83 81.69,68.85 81.78,68.89 81.85,68.95 82.53,69.63 82.54,69.64 82.56,69.65 82.58,69.65 82.6,69.65 82.62,69.65 82.63,69.64 82.65,69.63 82.78,69.5 82.79,69.48 82.8,69.47 82.8,69.45 82.8,69.43 82.8,69.41 82.79,69.39 82.78,69.38 82.63,69.22 82.57,69.15 82.52,69.06 82.5,68.96 82.5,68.86 82.52,68.77 82.57,68.68 82.63,68.6 83.41,67.82 83.41,64.43 80.06,61.08 v1(79.87,61.08)
CAM4_DAT0-: length 28.7
  Top w0.178: v1(78.4,70.95) 78.26,70.81 78.26,70.79 75.59,70.79 73.5,68.7 U16.2 ; v1(80.33,60.62) 80.14,60.62 78.55,59.03 78.55,58.76 78.61,58.7 U1.B166
  Bottom w0.178: v1(80.33,60.62) 80.33,60.81 83.79,64.27 83.79,67.98 82.92,68.85 82.9,68.87 82.9,68.89 82.89,68.9 82.89,68.92 82.9,68.94 82.9,68.96 82.92,68.97 83.07,69.13 83.13,69.2 83.17,69.29 83.19,69.39 83.19,69.49 83.17,69.58 83.13,69.67 83.07,69.75 82.9,69.92 82.82,69.98 82.73,70.02 82.64,70.04 82.54,70.04 82.44,70.02 82.36,69.98 82.28,69.92 81.6,69.24 81.59,69.23 81.57,69.22 81.55,69.22 81.53,69.22 81.51,69.22 81.5,69.23 81.48,69.24 81.35,69.37 81.34,69.39 81.33,69.4 81.33,69.42 81.33,69.44 81.33,69.46 81.34,69.48 81.35,69.49 81.5,69.65 81.56,69.72 81.61,69.81 81.63,69.91 81.63,70 81.61,70.1 81.56,70.19 81.5,70.27 80.98,70.79 78.54,70.79 78.4,70.93 v1(78.4,70.95)
CAM4_DAT1+: length 26.8
  Top w0.178: U16.6 73.6,72.7 73.75,72.55 73.75,72.25 73.6,72.1 70.13,72.1 69.41,71.38 69.41,68.22 70.44,67.19 70.47,67.16 70.48,67.12 70.49,67.08 70.49,67.04 70.48,67.01 70.47,66.97 70.44,66.94 70.27,66.77 70.2,66.68 70.15,66.57 70.12,66.46 70.12,66.34 70.15,66.23 70.2,66.12 70.27,66.03 70.32,65.98 70.41,65.91 70.52,65.86 70.63,65.83 70.75,65.83 70.87,65.86 70.97,65.91 71.06,65.98 71.9,66.81 71.93,66.84 71.96,66.86 72,66.86 72.04,66.86 72.08,66.86 72.12,66.84 72.15,66.81 72.17,66.78 72.19,66.75 72.2,66.71 72.2,66.67 72.19,66.63 72.17,66.59 72.15,66.56 71.31,65.73 71.24,65.64 71.19,65.53 71.16,65.42 71.16,65.3 71.19,65.18 71.24,65.08 71.31,64.99 71.36,64.94 71.45,64.87 71.56,64.82 71.67,64.79 71.79,64.79 71.91,64.82 72.01,64.87 72.11,64.94 72.27,65.11 72.3,65.13 72.34,65.15 72.38,65.16 72.42,65.16 72.46,65.15 72.49,65.13 72.52,65.11 74.17,63.46 74.17,59.18 74.11,59.13 U1.B148
CAM4_DAT1-: length 26.8
  Top w0.178: U1.B150 74.61,59.13 74.55,59.18 74.55,63.62 72.77,65.4 72.68,65.47 72.57,65.52 72.46,65.55 72.34,65.55 72.22,65.52 72.12,65.47 72.03,65.4 71.86,65.23 71.83,65.21 71.79,65.19 71.75,65.18 71.71,65.18 71.67,65.19 71.64,65.21 71.61,65.23 71.58,65.26 71.57,65.3 71.56,65.34 71.56,65.38 71.57,65.42 71.58,65.45 71.61,65.48 72.44,66.32 72.51,66.41 72.56,66.51 72.59,66.63 72.59,66.75 72.56,66.86 72.51,66.97 72.44,67.06 72.39,67.11 72.3,67.18 72.2,67.23 72.08,67.26 71.96,67.26 71.85,67.23 71.74,67.18 71.65,67.11 70.82,66.27 70.79,66.25 70.75,66.23 70.71,66.22 70.67,66.22 70.63,66.23 70.6,66.25 70.57,66.27 70.54,66.3 70.52,66.34 70.51,66.38 70.51,66.42 70.52,66.46 70.54,66.49 70.57,66.53 70.73,66.69 70.81,66.78 70.86,66.89 70.88,67.01 70.88,67.12 70.86,67.24 70.81,67.34 70.73,67.44 69.79,68.38 69.79,71.22 70.27,71.7 U16.5
CAM4_ENABLE: length 57.1
  Top w0.152: U1.B91 60.11,54.03 v1(60.09,54.05) ; v1(78.61,77.71) 78.6,77.7 U16.11
  Bottom w0.152: v1(60.09,54.05) 60.09,54.34 60.7,54.95 81.21,54.95 87.6,61.34 87.6,75.15 87.02,75.73 80.59,75.73 v1(78.61,77.71)
CAM4_SCL: length 59.7
  Top w0.152: U1.B97 61.61,52.01 v1(61.55,51.95) ; v1(80.66,77.77) 78.72,79.71 R38.2 78.63,79.7 U16.13
  Bottom w0.152: v1(61.55,51.95) 61.55,52.3 63.5,54.25 81.88,54.25 88.5,60.87 88.5,75.3 86.03,77.77 v1(80.66,77.77)
CAM4_SDA: length 67.8
  Top w0.152: R40.2 69.61,80.7 U16.14 73.31,80.7 v1(74.33,79.68) ; v1(62.2,52.1) 62.11,52.19 U1.B99
  Bottom w0.152: v1(74.33,79.68) 84.67,79.68 88.9,75.45 88.9,60.49 82.31,53.9 64,53.9 v1(62.2,52.1)
CAM4_TRIGGER: length 63.4
  Top w0.152: v1(79.54,78.08) 78.92,78.7 U16.12 ; U1.B93 60.61,54.01 v1(60.65,54.05)
  Bottom w0.152: v1(79.54,78.08) 81.3,76.32 86.93,76.32 88.1,75.15 88.1,61.18 81.52,54.6 61.2,54.6 v1(60.65,54.05)
CAM5_CLK+: length 36.4
  Top w0.178: U1.B84 58.11,59.12 54.92,62.31 48.72,62.31 42.81,68.22 42.81,74.73 43.78,75.7 52.25,75.7 U17.9
CAM5_CLK-: length 36.4
  Top w0.178: U1.B86 58.61,59.16 55.08,62.69 48.88,62.69 43.19,68.38 43.19,74.57 43.92,75.3 49.47,75.3 49.65,75.12 49.65,74.75 49.5,74.6 U17.8
CAM5_DAT0+: length 34
  Top w0.178: U1.B90 59.61,59.13 59.67,59.18 59.67,59.56 54.82,64.41 53.83,64.41 53.71,64.42 53.6,64.46 53.5,64.52 53.42,64.6 53.36,64.7 53.32,64.81 53.31,64.93 53.31,65.15 53.3,65.19 53.29,65.22 53.27,65.26 53.24,65.28 53.21,65.3 53.18,65.32 53.14,65.32 53.12,65.32 53.09,65.32 53.05,65.3 53.02,65.28 52.99,65.26 52.97,65.22 52.96,65.19 52.95,65.15 52.95,64.6 52.95,64.6 52.95,64.02 52.93,63.9 52.89,63.79 52.83,63.69 52.75,63.61 52.65,63.55 52.54,63.51 52.43,63.5 52.35,63.5 52.23,63.51 52.12,63.55 52.02,63.61 51.94,63.69 51.88,63.79 51.84,63.9 51.83,64.02 51.83,65.15 51.82,65.19 51.81,65.22 51.79,65.26 51.76,65.28 51.73,65.3 51.7,65.32 51.66,65.32 51.64,65.32 51.6,65.32 51.57,65.3 51.54,65.28 51.51,65.26 51.49,65.22 51.48,65.19 51.47,65.15 51.47,64.02 51.46,63.9 51.42,63.79 51.36,63.69 51.28,63.61 51.18,63.55 51.07,63.51 50.95,63.5 50.87,63.5 50.76,63.51 50.65,63.55 50.55,63.61 50.47,63.69 50.41,63.79 50.37,63.9 50.35,64.02 50.35,64.24 50.35,64.28 50.34,64.31 50.32,64.35 50.29,64.37 50.26,64.39 50.22,64.41 50.18,64.41 48.62,64.41 44.91,68.12 44.91,69.13 45.38,69.6 U17.3